# Altium PCB S7.PcbDoc (part 5 of 6) (continued)
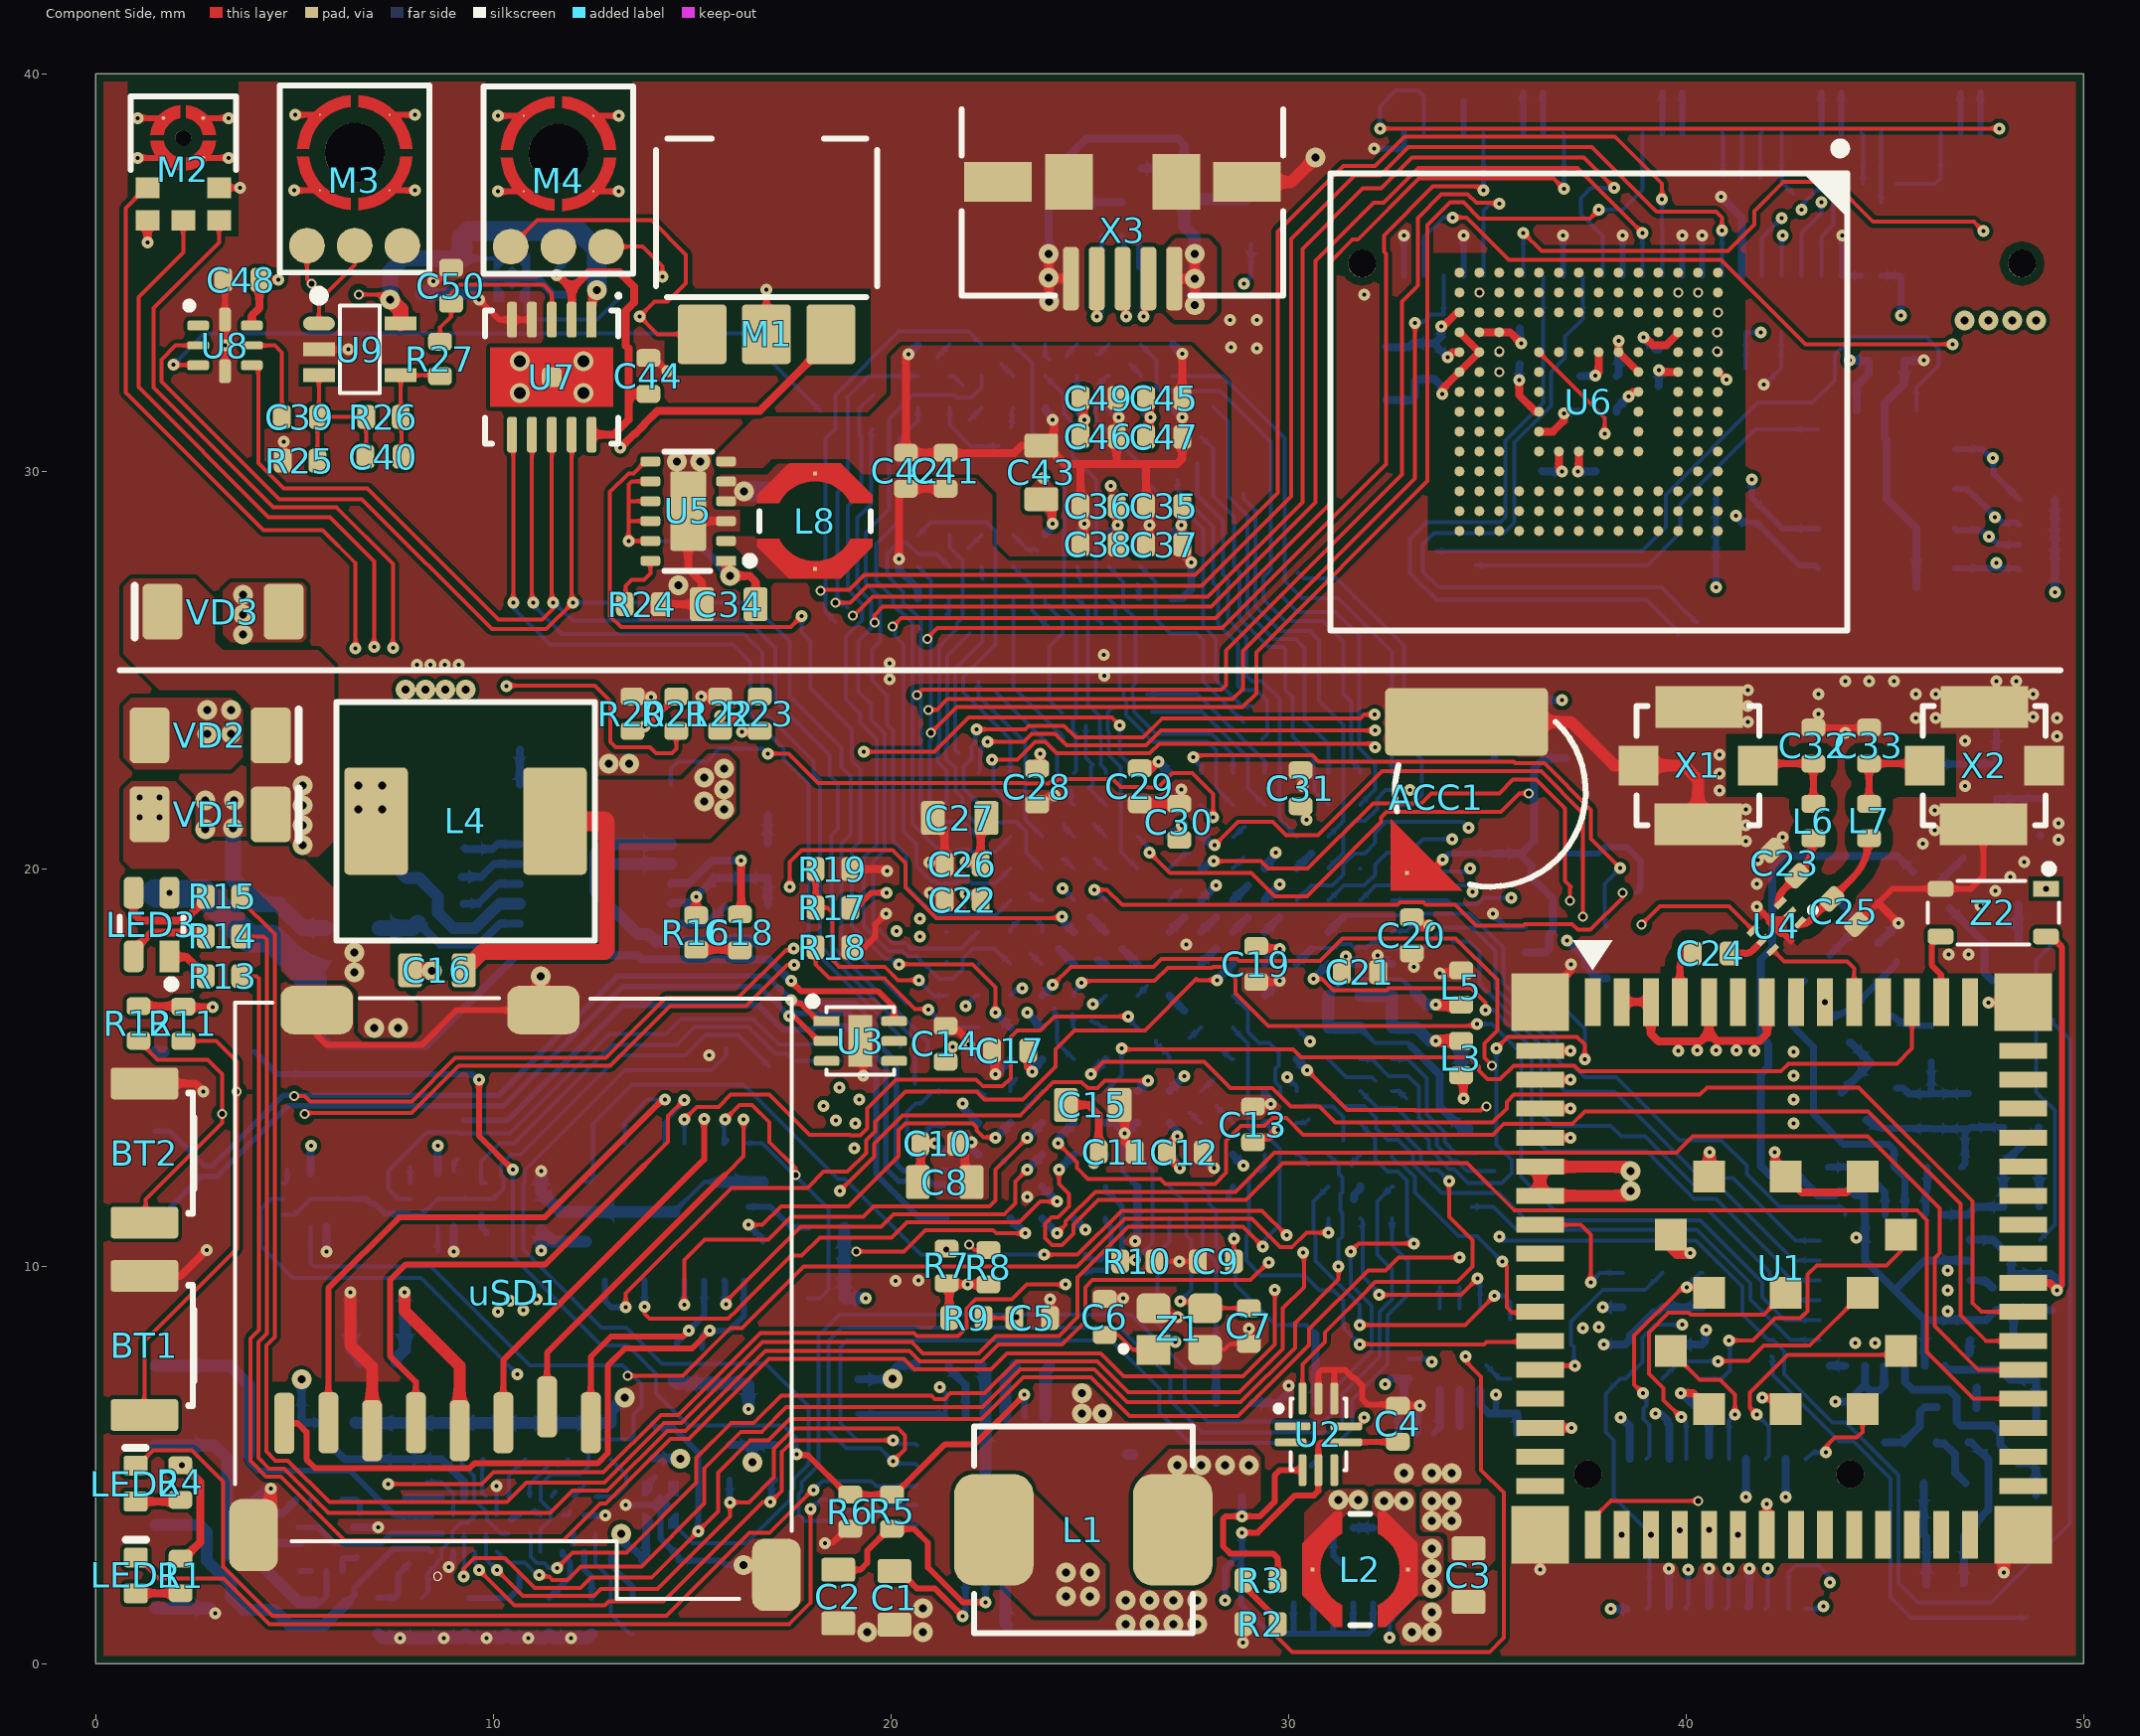
[diagram p0: Component Side view]
## Nets (pads, with @x,y where several pads share a name; then routed paths per layer and width w, separated by ;. In a path a pad name is that pad's centre, name@x,y a point inside that pad or via, vN(x,y) a via of type N, cw(c..) or ccw(c..) an arc to the next point about the centre after c; other vN are vias at no path point) (continued)
SSIWS0: U17.K10 U19.3 | length 22.2
  Inner4 w0.08: v2(18.718,15.17) 19.535,15.987 21.137,15.987 21.2,16.05 22.289,16.05 22.5,15.839 23.607,15.839 23.706,15.74 24.066,15.74 24.406,15.4 25.119,15.4 25.348,15.17 26.872,15.17 27.127,15.425 28.297,15.425 v2(28.32,15.448)
  Solder Side w0.1: U19.3@9.693,12.1 9.693,12.633 10.161,13.1 10.527,13.1 12.997,15.57 14.612,15.57 15.067,16.025 16.415,16.025 17.1,15.34 17.383,15.34 17.553,15.17 v2(18.718,15.17) ; U19.3@9.7,12.1 U19.3@9.802,12.1 ; v2(28.32,15.448) 28.563,15.204 U17.K10@28.6,15.204
SYS_V: C4.1 C34.2 C67.2 LED3.4 R1.2 R4.2 R28.2 U1.55 U1.56 U2.4 U2.6 U5.1 U5.8 U5.9 U5.10 U5.11 U10.1 U10.8 U10.9 U10.10 U10.11 U10.12 X6.57 X6.58 X6.59 X6.60 | length 162.8
  Component Side w0.1: U5.11@13.95,28.25 v1(13.4,28.249) 13.4,28.744 ; U5.10@13.95,28.75 13.406,28.75 13.4,28.744 ; U5.9@13.95,29.25 13.411,29.25 13.4,29.239 ; U5.8@13.95,29.75 13.485,29.75 13.4,29.665 13.4,29.239 ; 13.4,28.744 13.4,29.239
  Component Side w0.15: v1(28.825,3.3) 29.227,3.3 30.161,4.234 30.637,4.234 30.75,4.347 U2.4@30.75,4.873 30.75,5.497 30.828,5.574 31.449,5.574 U2.6@31.45,5.573 31.457,5.58 32.743,5.58 C4.1@32.75,5.588
  Component Side w0.2: R1.2@2.135,2.645 2.21,2.645 2.627,3.062 2.627,4.57 2.202,4.995 v4(2.164,4.995) ; U5.1@15.85,27.75 15.85,27.481 v3(15.961,27.37) 16.45,27.37 16.596,27.224 C34.2@16.596,26.656
  Component Side w0.3: v3(38.6,11.9) 38.475,11.775 U1.55@36.325,11.775 U1.56@36.325,12.505 38.495,12.505 v3(38.6,12.4)
  Inner1 w0.2: v4(1.85,19.4) 0.95,18.5 0.95,5.52 1.237,5.233 1.926,5.233 v4(2.164,4.995) 2.164,1.614 3.478,0.3 28,0.3 28.4,0.7 v1(28.4,1.6)
  Inner4 w0.6: 15.076,18.19 17.558,20.672 17.558,23.892 15.961,25.489 v3(15.961,27.37)
  Inner4 w1: 15.076,18.19 13.365,16.479 13.365,11.5 14.79,10.075 16.307,10.075 18.125,8.257 19.411,8.257 19.416,8.262 21.105,8.262 21.47,7.898 25.805,7.898 27.532,6.17 29.461,6.17 29.9,5.731 v6(29.9,5) ; v6(29.884,3.923) 29.9,3.94 v6(29.9,5) ; 48.7,33.55 48.7,27.439 48.525,27.264 48.525,26.937 47.458,25.87 45.887,25.87 45.878,25.861 41.088,25.861 40.014,24.786 40.014,17.531 38.65,16.167 38.65,9.555 38.645,9.551 38.645,9.287 38.65,9.283 38.65,8.661 38.645,8.657 38.645,8.375 38.675,8.346 38.675,7.724 38.645,7.695 ; v6(29.9,5) 31.984,5 32.05,5.066 32.05,5.152 32.548,5.65 35.241,5.65 36.184,6.592 36.72,6.592 36.812,6.685 37.727,6.685 38.624,7.581 ; 38.624,7.581 38.624,7.673 38.645,7.695 ; 38.624,7.581 38.645,7.603 38.645,7.695
  Solder Side w0.1: v1(13.4,28.249) 15.08,28.249
  Solder Side w0.15: v1(28.4,1.6) 28.4,2.4 28.8,2.8 28.8,1.5 29.538,0.762 30.096,0.762 ; R28.2@28.825,2.79 v1(28.825,3.3) ; U10.12@30.125,1.525 30.125,0.79 30.096,0.762 ; C67.2@30.575,4.983 C67.2@30.798,5.205 ; U10.11@30.625,1.525 30.625,0.791 30.654,0.762 ; U10.10@31.125,1.525 31.125,0.773 31.136,0.762 ; U10.9@31.625,1.525 31.625,0.803 31.584,0.762 ; U10.8@32.125,1.525 32.125,0.885 32.001,0.762 31.584,0.762 ; 30.096,0.762 30.654,0.762 ; 30.654,0.762 31.136,0.762 ; 31.136,0.762 31.584,0.762
  Solder Side w0.2: 15.08,28.249 15.081,28.25 v3(15.961,27.37) ; R28.2@28.85,2.75 R28.2@28.9,2.8
  other v3: 47,33.8 47.6,33.8 48.2,33.8 48.8,33.8
  other v6: 29.884,4.467
SYSV_V: R2.1 R3.2 U17.R11 | length 23.4
  Component Side w0.1: R2.1@29.735,1 29.735,0.655 30.09,0.3 35.061,0.3 35.414,0.653 35.414,4.304 34.844,4.873 34.844,7.221 34.453,7.612 v1(34.453,7.735)
  Component Side w0.15: R3.2@28.865,2.1 28.865,1.973 29.735,1.103 R2.1@29.735,1
  Inner4 w0.08: v7(32.974,14.216) 32.974,12.824 32.285,12.135 32.285,11.998 32.315,11.968 32.315,11.409 32.285,11.379 32.285,10.351 34.453,8.183 v1(34.453,7.735)
  Solder Side w0.1: U17.R11@32.6,14.404 32.782,14.404 v7@32.971,14.216
TOUCH_IRQ: U17.H6 X6.36 | length 22.3
  Inner4 w0.08: v2(27.375,18.779) 26.856,19.298 26.856,19.511 27.166,19.821 27.166,20.518 27.8,21.152 27.8,21.678 28.307,22.185 28.307,25.557 28.44,25.69 30.122,25.69 31.88,27.449 31.88,32.835 33.675,34.63 33.675,34.65 33.777,34.752 35.227,34.752 v2(35.4,34.925)
  Solder Side w0.2: U17.H6@27,18.404 v2(27.375,18.779)
TOUCH_RST: U17.H8 X6.37 | length 47.2
  Component Side w0.1: v1(35.91,36.001) 36.371,35.54 41.05,35.54 41.717,36.207 41.717,36.549 42.448,37.28 43.699,37.28 44.703,36.277 47.239,36.277 v1(47.475,36.041)
  Inner4 w0.08: v2(27.375,16.432) 29.709,16.432 30.216,16.939 30.956,16.939 31.441,17.424 32.63,17.424 33.047,17.842 34.254,17.842 34.77,18.357 34.77,18.904 36.59,20.724 36.59,26.319 40.391,30.12 41.96,30.12 43.83,31.99 43.83,32.912 46.958,36.041 v1(47.475,36.041)
  Solder Side w0.1: X6.37@35.9,34.925 35.91,34.935 v1(35.91,36.001)
  Solder Side w0.2: U17.H8@27,16.804 27.001,16.804 27.375,16.431 v2@27.375,16.429
U2V5: C63.1 C64.1 U12.1 U13.B8 | length 8
  Inner4 w0.15: v2(10.437,3.622) 10.589,3.471 10.726,3.471 10.768,3.43 10.875,3.323 ; v2(10.651,2.215) 10.651,2.376 10.95,2.675 10.95,3.248 10.875,3.323 ; v2(14.05,4.692) 13.541,4.692 12.901,4.053 12.631,4.053 12.475,3.897 12.475,3.583 12.266,3.374 12.186,3.374 12.145,3.415 11.855,3.415 11.814,3.374 11.745,3.374 11.681,3.438 11.14,3.438 11.025,3.323 10.875,3.323
  Solder Side w0.15: C64.1@9.391,1.652 C63.1@10.34,1.652 10.394,1.652 10.651,1.909 v2(10.651,2.215) ; v2(10.437,3.622) 10.543,3.728 U13.B8@10.638,3.728 ; U12.1@13.84,4.51 13.868,4.51 v2(14.05,4.692)
U4SW: C53.1 L1.1 U11.19 U11.20
  other v3: 24.4,1.7 25,1.7 24.4,2.3 25,2.3
U5V: C57.1 C106.1 C108.1 R23.1 R47.2 U11.1 U11.24 U23.3 | length 23.8
  Component Side w0.1: R23.1@16.685,23.45 R23.1@16.7,23.465
  Component Side w0.2: v1(16.257,23.45) R23.1@16.685,23.45
  Inner4 w1: 15.2,20.8 12.062,17.662 12.062,9.072 13.509,7.625 16.593,7.625 19.11,5.108 v2@19.11,3.51
  other v2: 18.8,3.2 18.8,3.5 19.1,3.5 19.4,3.5
  other v5: 15.7,20.8 16.2,20.8 14.4,23.2 14.9,23.2 14.4,23.7 14.9,23.7
U5V_V: R22.1 R23.2 U17.M11 | length 46.1
  Component Side w0.1: R22.1@15.7,23.465 v12(15.7,23.85)
  Component Side w0.15: R22.1@15.7,23.465 15.75,23.465 16.62,24.335 R23.2@16.7,24.335
  Inner1 w0.08: v12(15.7,23.85) 15.7,23.423 17,22.123 17,13.775 18.175,12.6 19.796,12.6 20.142,12.946 20.142,17.113 20.929,17.9 22,17.9 22.8,18.7 22.8,19.366 25.784,22.35 27.932,22.35 29.1,21.182 29.1,16.218 28.5,15.618 28.5,12.277 28.627,12.15 29.63,12.15 30.3,12.82 30.3,13.729
  Inner1 w0.1: v1(29.967,14.757) 29.967,14.062 30.3,13.729
  Solder Side w0.1: v1(29.967,14.757) 29.986,14.738 30.2,14.523 U17.M11@30.2,14.404
USB_N: P_USB_N1.1 U3.1 U17.B14 | length 28
  Component Side w0.138: v1@17.528,16.613 17.733,16.613 18.182,16.165 U3.1@18.382,16.165
  Solder Side w0.138: P_USB_N1.1@1.5,13.4 1.862,13.4 2.73,12.532 2.947,12.532 4.717,14.302 10.135,14.302 13.133,17.3 16.89,17.3 17.448,16.741 17.448,16.723 17.539,16.632 19.068,16.632 19.627,16.074 19.627,15.646 19.64,15.633 19.645,15.633 20.133,15.145 20.133,15.14 ; 20.134,15.139 20.134,14.203 20.134,13.133 20.134,12.578 20.306,12.406 20.622,12.406 20.626,12.41 21.794,12.41 U17.B14@22.2,12.004
  other v1: 17.49,16.7
USB_P: P_USB_P1.1 U3.2 U17.A14 | length 27.3
  Component Side w0.138: v1(17.44,16.29) 17.471,16.259 17.588,16.259 18.182,15.665 U3.2@18.382,15.665
  Solder Side w0.138: P_USB_P1.1@1.5,11.4 1.791,11.4 2.659,12.268 3.056,12.268 4.826,14.038 10.245,14.038 13.243,17.035 16.694,17.035 v1(17.44,16.29) 17.48,16.29 17.558,16.368 18.959,16.368 19.362,15.964 19.362,15.537 19.53,15.369 19.536,15.369 19.869,15.036 19.869,15.03 19.869,12.469 20.197,12.142 20.731,12.142 20.735,12.146 20.974,12.146 21.056,12.064 21.34,12.064 U17.A14@21.4,12.004
USB_VBUS: C103.2 L16.1 P_USB_VBUS1.1 U3.6 | length 22.7
  Component Side w0.15: v1(17.49,17.179) 17.49,17.171 17.737,16.925 19.672,16.925 20.082,16.515 U3.6@20.082,16.165
  Solder Side w0.2: L16.1@5.468,16.955 5.705,16.718 5.705,15.74 5.895,15.55 8.312,15.55 10.587,17.824 13.629,17.824 13.728,17.725 16.93,17.725 17.476,17.179 v1(17.49,17.179)
  Solder Side w0.7: P_USB_VBUS1.1@1.5,19.4 1.527,19.373 2.734,19.373 3.859,18.248 C103.2@4.05,18.248 4.425,18.248 5.468,17.205 L16.1@5.468,16.955
USBHS_N: U17.F15 U26.1 X3.2 | length 44.4
  Component Side w0.138: v1(26.354,33.892) 26.385,33.924 26.385,34.761 X3.2@26.474,34.85
  Inner4 w0.075: v2(24.9,10.3) 24.9,10.287 24.744,10.131 24.097,10.131 23.969,10.003 22.51,10.003 20.063,12.45 18.921,12.45 16.622,14.748 16.622,18.114 17.235,18.727 18.213,18.727 18.83,19.344 18.83,24.232 18.348,24.714 18.348,25.315 17.464,26.2 17.464,31.618 19.637,33.792 22.824,33.792 23.225,33.391 26.077,33.391 26.239,33.553 26.239,33.736 26.354,33.851 v1(26.354,33.892)
  Solder Side w0.138: v2(24.9,10.3) 24.9,10.23 24.931,10.199 25.035,10.199 25.072,10.162 25.283,10.162 25.542,10.421 25.542,10.978 25.4,11.12 U17.F15@25.4,11.204 ; U26.1@26.299,35.925 26.243,35.869 26.243,35.594 26.238,35.588 26.238,35.142 26.327,35.053 26.327,33.92 v1(26.354,33.892)
USBHS_P: U17.F14 U26.2 X3.3 | length 46
  Component Side w0.138: X3.3@25.824,34.85 25.892,34.783 25.892,33.924 v1(25.923,33.892)
  Inner4 w0.075: v2(24.9,9.83) 24.843,9.83 24.744,9.929 24.18,9.929 24.052,9.801 22.427,9.801 19.98,12.248 18.838,12.248 16.421,14.665 16.421,18.198 17.152,18.929 18.13,18.929 18.629,19.428 18.629,24.149 18.147,24.631 18.147,25.232 17.262,26.116 17.262,31.702 19.553,33.993 22.908,33.993 23.309,33.593 25.994,33.593 26.038,33.637 26.038,33.736 25.923,33.851 v1(25.923,33.892)
  Solder Side w0.138: v2(24.9,9.83) 24.931,9.861 25.035,9.861 25.072,9.898 25.393,9.898 25.806,10.311 25.806,11.516 25.4,11.922 U17.F14@25.4,12.004 ; U26.2@25.799,35.926 25.856,35.869 25.856,35.594 25.861,35.589 25.861,34.986 25.95,34.897 25.95,33.92 v1(25.923,33.892)
VACC: ACC1.2 U21.2 VD4.1 VD5.2 | length 9.8
  Component Side w0.2: ACC1.2@32.977,19.9 33.554,19.9 v1(33.881,20.227)
  Solder Side w0.15: v1(33.881,20.227) 34.033,20.379 VD4.1@35.175,20.379
  Solder Side w0.2: VD4.1@35.175,20.379 VD4.1@35.342,20.379 ; U21.2@35.95,17.9 36.465,17.9 36.55,17.985 36.55,18.345 36.66,18.455 36.66,19.24 36.1,19.8 36.1,20.09 35.811,20.379 ; VD5.2@36.975,22.779 36.422,22.779 36.175,22.532 36.175,20.704 35.85,20.379 35.811,20.379 ; VD4.1@35.342,20.379 VD4.1@35.414,20.379 ; VD4.1@35.342,20.379 35.345,20.382 35.411,20.382 VD4.1@35.414,20.379 ; VD4.1@35.414,20.379 35.811,20.379
VACC_AIN: U17.P11 U21.1 | length 13.9
  Component Side w0.1: v1(35.225,15.48) 35.52,15.775 37.255,15.775 37.45,15.58 v1(37.45,15.21)
  Solder Side w0.1: U17.P11@31.8,14.404 31.813,14.404 32.238,13.979 32.72,13.979 33.524,13.175 33.524,12.976 ; 33.525,12.975 33.525,12.966 34.041,12.45 34.161,12.45 34.511,12.1 35.365,12.1 35.615,12.351 35.615,12.671 35.225,13.061 v1(35.225,15.48) ; U21.1@35.95,17.25 36.175,17.25 37.45,15.975 v1(37.45,15.21)
VACC_EN: U17.J1 U21.4 | length 14.5
  Component Side w0.1: v1(27.599,22.803) 27.65,22.854 30.6,22.854 30.754,22.7 35.664,22.7 35.709,22.655 36.438,22.655 37.609,21.484 37.609,20.755 v1(38.344,20.02)
  Solder Side w0.1: v1(27.599,22.803) 27.8,22.602 U17.J1@27.8,22.404 ; U21.4@38,18.55 37.95,18.6 37.95,19.626 v1(38.344,20.02)
VBAT: C73.2 P_VBAT1.1 U11.13 U11.14 | length 40.1
  Inner4 w1: v6(4,16.9) 4,5.074 3.65,4.724 3.65,2.15 4.4,1.4 7.961,1.4 18.008,1.4 18.408,1.8 19.538,1.8 20.888,3.15 25.248,3.15 26.1,4.003 v2(26.1,5.125) v2@26.1,5.275
  Solder Side w0.28: C73.2@25.953,5.269 C73.2@26.078,5.269
  other v2: 25.8,5.125 26.4,5.125 25.8,5.425 26.1,5.425 26.4,5.425
  other v6: 3.4,16.9 4.6,16.9 2.8,17.5 3.4,17.5 4,17.5
VBUS: L16.2 U17.A15 VD1.2 | length 20.4
  Inner4 w0.15: v3(7.6,16) 9.259,14.341 v2(9.259,13.675)
  Solder Side w0.15: v2(9.259,13.675) 10.357,13.675 13.258,16.576 16.657,16.576 17.28,15.953 18.012,15.953 18.105,16.046 18.863,16.046 19.054,15.854 19.054,15.5 19.429,15.125 19.435,15.125 19.625,14.935 19.625,14.929 ; 19.626,14.929 19.626,12.318 20.74,11.204 U17.A15@21.4,11.204
  other v3: 7,16 6.5,17.4 6.5,17.9
  other v11: 1.1,21.3 1.6,21.3 1.1,21.8 1.6,21.8
VBUSH: L18.2 U17.K13 VD3.2 | length 66.2
  Inner1 w0.1: v1(28.866,12.538) 28.866,15.267 30.2,16.601 30.2,20.758 28.866,22.092 v1@28.866,34.693
  Inner4 w1: v3@3.7,26.2 v3(3.7,26.4) v3(3.7,26.9) 3.7,28.4 1.1,31 1.1,33.686 3.678,36.264 13.895,36.264 16.531,38.9 28.3,38.9 29.1,38.1 v6(29.1,35.7)
  Solder Side w0.1: v1(28.875,34.725) 29.049,34.899 L18.2@29.049,35.717
  Solder Side w0.2: U17.K13@28.6,12.804 v1(28.866,12.538)
  other v3: 3.7,25.9
  other v6: 28.6,35.7 29.6,35.7
WIFI_REG_ON: U1.51 U17.R13 | length 6.3
  Component Side w0.1: v1(35.374,10.125) 35.486,10.013 35.486,8.969 35.62,8.836 36.306,8.836 U1.51@36.325,8.855
  Solder Side w0.1: U17.R13@32.6,12.804 32.6,12.73 32.751,12.579 32.838,12.579 33.175,12.242 33.175,11.858 34.281,10.752 34.747,10.752 v1(35.374,10.125)
WJTAG_CLK: U1.71 X4.17 | length 7.5
  Component Side w0.1: v1(39.875,6.207) 39.862,6.207 39.433,6.637 39.433,6.928 39.062,7.299 39.062,8.336 39.556,8.83 40.071,8.83 40.115,8.786 41.957,8.786 U1.71@42.507,9.336
  Solder Side w0.1: v1(39.875,6.207) 40,6.082 X4.17@40,5.159
WJTAG_RST: U1.75 X4.11 | length 2.4
  Component Side w0.1: v1(43.512,5.32) 43.512,5.465 43.744,5.698 44.298,5.698 44.438,5.838 U1.75@44.438,6.412
  Solder Side w0.1: X4.11@43,5.159 43.019,5.14 43.199,5.32 v1(43.512,5.32)
WJTAG_TDI: U1.73 X4.13 | length 6.3
  Component Side w0.1: v1(41.775,6.273) 41.6,6.448 41.6,6.825 42.55,7.775 45.403,7.775 U1.73@45.403,7.874 45.413,7.874 U1.73@45.45,7.837
  Solder Side w0.1: v1(41.775,6.273) 42.076,5.972 42.076,5.235 X4.13@42,5.159
WJTAG_TDO: U1.74 X4.15 | length 3.7
  Component Side w0.1: U1.74@39.612,7.874 40.338,7.148 40.853,7.148 41.23,6.771 v1(41.23,6.27)
  Solder Side w0.1: X4.15@41.076,5.162 41.076,6.116 v1(41.23,6.27)
WJTAG_TMS: R37.1 U1.72 X4.19 | length 6.3
  Component Side w0.1: v1(38.92,6.803) 38.697,7.026 38.697,8.254 39.875,9.432 39.974,9.432 v1(40.012,9.471) 40.442,9.471 U1.72@40.577,9.336
  Solder Side w0.1: v1(38.92,6.803) 39,6.723 39,6.498 38.926,6.424 38.926,6.16 39.076,6.01 39.076,5.235 X4.19@39,5.159 ; v1(40.012,9.471) 40.012,9.496 40.351,9.835 R37.1@40.4,9.835
pads on no net: M2.HL M3.3 M3.HL M4.2 M4.HL R33.3 R33.4 R53.7 R53.8 U1.1 U1.6 U1.8 U1.11 U1.14 U1.15 U1.16 U1.17 U1.18 U1.19 U1.20 U1.21 U1.22 U1.28 U1.29 U1.30 U1.31 U1.32 U1.33 U1.34 U1.35 U1.36 U1.37 U1.45 U1.46 U1.48 U1.52 U1.53 U2.1 U2.2 U2.5 U3.3 U3.4 U3.5 U6.A1 U6.A2 U6.A7 U6.A8 U6.A9 U6.A10 U6.A11 U6.A12 U6.A13 U6.A14 U6.B1 U6.B3 U6.B4 U6.B5 U6.B6 U6.B7 U6.B8 U6.B9 U6.B10 U6.B11 U6.B12 U6.B13 U6.B14 U6.C1 U6.C3 U6.C5 U6.C7 U6.C8 U6.C9 U6.C10 U6.C11 U6.C12 U6.C13 U6.C14 U6.D1 U6.D2 U6.D3 U6.D4 U6.D12 U6.D13 U6.D14 U6.E1 U6.E2 U6.E3 U6.E5 U6.E8 U6.E9 U6.E10 U6.E12 U6.E13 U6.E14 U6.F1 U6.F2 U6.F3 U6.F10 U6.F12 U6.F13 U6.F14 U6.G1 U6.G2 U6.G3 U6.G10 U6.G12 U6.G13 U6.G14 U6.H1 U6.H2 U6.H3 U6.H5 U6.H12 U6.H13 U6.H14 U6.J1 U6.J2 U6.J3 U6.J5 U6.J12 U6.J13 U6.J14 U6.K1 U6.K2 U6.K3 U6.K6 U6.K7 U6.K10 U6.K12 U6.K13 U6.K14 U6.L1 U6.L2 U6.L3 U6.L12 U6.L13 U6.L14 U6.M1 U6.M2 U6.M3 U6.M7 U6.M8 U6.M9 U6.M10 U6.M11 U6.M12 U6.M13 U6.M14 U6.N1 U6.N3 U6.N6 U6.N7 U6.N8 U6.N9 U6.N10 U6.N11 U6.N12 U6.N13 U6.N14 U6.P1 U6.P2 U6.P7 U6.P8 U6.P9 U6.P10 U6.P11 U6.P12 U6.P13 U6.P14 U7.11 U8.1 U15.2 U15.3 U15.10 U15.11 U16.4 U17.B15 U17.C14 U17.E11 U17.E14 U17.G5 U17.G10 U17.H7 U17.H9 U17.J8 U17.J10 U17.K11 U17.L3 U17.L9 U17.L10 U17.L14 U17.L15 U17.M6 U17.M8 U17.M14 U17.M15 U17.N12 U18.2 U18.4 U18.16 U18.18 U20.2 U20.3 U20.5 U24.2 U24.4 U24.16 U24.18 U25.E2 U26.4 U26.5 X4.MH1 X4.MH2 X4.MP1 X4.MP2 X6.MH1 X6.MH2 X6.MP1 X6.MP2
copper on no net:
  other v8: 10.672,31.969 12.272,31.969 10.672,32.769 12.272,32.769

## Polygon pours and split planes (outlines as drawn)
GND on Component Side "Component Side-GND 3" (solid, remove dead copper, pour order 132): 0,0 0,40 50,40 50,0
PVIN on Component Side "Component Side-PVIN" (solid, remove dead copper, pour order 128): 3.9,20.7 4.3,20.3 5.6,20.3 6,20.7 6,25.1 5.6,25.5 3.2,25.5 3,25.7 3,26.8 2.5,27.3 0.9,27.3 0.7,27.1 0.7,26.7 0.7,26.6 0.7,25.4 1.6,24.5 3.5,24.5 3.9,24.1 3.9,24
VBUSH on Component Side "Component Side-VBUSH" (solid, remove dead copper, pour order 124): 3.2,27 3.4,27.2 5.2,27.2 5.3,27.1 5.3,25.8 5.2,25.7 3.4,25.7 3.2,25.9
NetC123_2 on Component Side "Component Side-NetC32_2" (solid, remove dead copper, pour order 114): 26.92,35.61 26.92,34.03 27.14,33.81 27.98,33.81 28.2,34.03 28.2,35.64 27.98,35.86 27.16,35.86
GND on Component Side "Component Side-GND 2" (solid, remove dead copper, pour order 108): 13.97,26.97 14.45,27.45 14.45,29.98 14.32,30.11 14.32,30.57 14.47,30.72 15.34,30.72 15.54,30.52 15.54,30.12 15.35,29.93 15.35,27.58 15.54,27.39 15.54,26.269 15.391,26.12 14.15,26.12 13.97,26.3
NetL8_2 on Component Side "Component Side-NetL7_2" (solid, remove dead copper, pour order 104): 15.69,28.37 16.56,28.37 17.44,27.49 17.44,27.3 16.88,27.3 16.06,28.12 15.71,28.12 15.69,28.14
NetC110_2 on Component Side "Component Side-NetC63_2" (solid, remove dead copper, pour order 102): 15.67,29.87 15.72,29.92 16.88,29.92 17.15,30.19 17.83,30.19 18,30.02 17.99,30.01 17.99,29.82 17.93,29.76 17.38,29.76 16.82,29.2 16.63,29.2 16.56,29.13 15.84,29.13 15.67,29.3
+3V3_SDRAM on Component Side "Component Side-+3V3_SDRAM" (solid, remove dead copper, pour order 100): 16.6,31.38 19.45,31.38 20,31.93 20,32.89 20.27,33.16 27.55,33.16 28.46,32.25 28.46,28.183 28.137,27.86 22.99,27.86 22.66,28.19 22.66,29.45 22.18,29.93 19.29,29.93 18.9,30.32 17.01,30.32 16.78,30.09 15.71,30.09 15.6,30.2 15.6,30.38
GND on Component Side "Component Side-GND 1" (solid, remove dead copper, pour order 96): 33.3,1.6 33.9,1.6 34,1.7 34,1.9 34.1,2 35.1,2 35.2,1.9 35.2,0.8 34.9,0.5 32.9,0.5 32.804,0.596 32.804,1.104
+3V3 on Component Side "Component Side-+3V3" (solid, remove dead copper, pour order 94): 33.3,4.3 33.3,3.4 33.4,3.3 33.9,3.3 34,3.2 34,2.6 34.2,2.4 35,2.4 35.2,2.6 35.2,4.2 35,4.4 33.4,4.4
NetC52_2 on Component Side "Component Side-NetC59_2" (solid, remove dead copper, pour order 92): 33,3.3 33.2,3.3 33.3,3.2 33.8,3.2 33.9,3.1 33.9,1.8 33.8,1.7 33,1.7
NetC52_2 on Component Side "Component Side-NetC59_2 1" (solid, remove dead copper, pour order 84): 32.3,3.6 32.1,3.8 32.1,4.3 32.2,4.4 33.1,4.4 33.2,4.3 33.2,3.1 33.1,3 32.8,3 32.3,3.5
NetL2_2 on Component Side "Component Side-NetL6_2" (solid, remove dead copper, pour order 82): 30.4,2.7 30.4,3.8 31,4.4 31.9,4.4 32,4.3 32,4 31.9,3.9 31.6,3.9 31.4,3.7 31.2,3.5 31.2,3.3 30.6,2.7
VBUS on Component Side "Component Side-VBUS" (solid, remove dead copper, pour order 72): 0.7,22 0.7,20.2 0.9,20 2.1,20 2.4,19.7 3.8,19.7 4.6,18.9 4.6,17.5 4.9,17.2 6.3,17.2 6.6,16.9 6.6,15.9 6.8,15.7 7.9,15.7 8.1,15.9 8.1,16.6 7.4,17.3 7.4,18.8 6.7,19.5 6,19.5 4.8,20.7 2.6,20.7 2.4,20.9 2.4,21.8 2,22.2 0.9,22.2
GND on Component Side "Component Side-GND" (solid, remove dead copper, pour order 64): 18.3,1.5 18.3,0.8 18.6,0.5 21,0.5 21.2,0.7 21.2,1.5 21,1.7 18.5,1.7
NetC56_1 on Component Side "Component Side-NetC55_1" (solid, remove dead copper, pour order 54): 26.3,4.7 27,5.4 29.1,5.4 29.3,5.2 29.3,4.1 29.1,3.9 28.3,3.9 28,3.6 28,3 28,2.6 27.7,2.3 26.4,2.3 26.3,2.4
U4SW on Component Side "Component Side-U4SW" (solid, remove dead copper, pour order 52): 21.8,4.4 22,4.6 23.3,4.6 25.4,2.5 25.4,1.4 25.2,1.2 23.6,1.2 22.8,2 22.1,2 21.8,2.3
NetC16_1 on Component Side "Component Side-NetC117_1" (solid, remove dead copper, pour order 20): 10.75,22.245 10.75,19.54 9.614,18.404 9.042,18.404 8.96,18.323 8.96,17.75 10.12,17.75 12.4,20.03 12.4,20.6 12.55,20.75 15.45,20.75 16.1,21.4 16.1,22.7 15.9,22.9 15.4,22.9 15.3,22.8 14.745,22.245
PWR on Component Side "Component Side-PWR" (solid, pour order 0): 0.7,24.1 0.9,24.3 3.4,24.3 3.7,24 3.7,22.8 3.4,22.5 1,22.5 0.7,22.8
GND on Solder Side "Solder Side-GND 6" (solid, remove dead copper, pour order 136): 0,0 0,40 50,40 50,0
GND on Solder Side "Solder Side-GND 5" (solid, remove dead copper, pour order 130): 18.265,1.336 18.264,1.661 18.444,1.841 18.455,1.83 19.429,1.83 20.817,1.83 21.185,1.462 21.185,0.66 21.007,0.482 18.505,0.482 18.265,0.722
SYS_V on Solder Side "Solder Side-SYS_V 1" (solid, remove dead copper, pour order 118): 45.75,33.75 46,33.5 49.5,33.5 49.6,33.6 49.6,34.5 49.4,34.7 45.9,34.7 45.75,34.55
NetC123_2 on Solder Side "Solder Side-NetC32_2" (solid, remove dead copper, pour order 112): 26.2,37.29 26.49,37.29 26.66,37.12 26.66,36.53 26.83,36.36 26.83,34.14 27.15,33.82 28.01,33.82 28.18,33.99 28.18,36.25 28.39,36.46 29.66,36.46 30.09,36.89 30.09,38.18 29.89,38.38 28.15,38.38 27.92,38.15 27.92,37.59 27.71,37.38 27.11,37.38 26.96,37.53 26.96,37.96 26.82,38.1 26.23,38.1 26.12,37.99 26.12,37.37
GND on Solder Side "Solder Side-GND 4" (solid, remove dead copper, pour order 110): 14.31,30.57 14.31,30.13 14.67,29.77 14.67,29.37 15.04,29 15.73,29 15.94,29.21 15.94,30.38 15.67,30.65 14.39,30.65
GND on Solder Side "Solder Side-GND 1" (solid, remove dead copper, pour order 90): 32.3,6.1 35.82,6.1 35.82,1.42 34.9,0.5 33.034,0.5 31.6,1.934 31.6,5.4
NetC52_2 on Solder Side "Solder Side-NetC59_2" (solid, remove dead copper, pour order 88): 33.5,3.2 34.7,3.2 34.9,3 34.9,2.3 34.8,2.2 34,2.2 33.9,2.1 33.9,1.8 33.7,1.6 33.4,1.6 33.2,1.8 33.2,2.9
+3V3 on Solder Side "Solder Side-+3V3" (solid, remove dead copper, pour order 86): 32.6,3.6 32.7,3.7 33.1,3.7 33.3,3.9 33.3,4.3 33.4,4.4 34.4,4.4 34.5,4.3 34.5,3.4 34.4,3.3 32.9,3.3 32.8,3.2 32.6,3.2
NetC52_2 on Solder Side "Solder Side-NetC59_2 1" (solid, remove dead copper, pour order 80): 31.5,3.7 31.6,3.8 31.9,3.8 32.1,4 32.1,4.3 32.2,4.4 33.1,4.4 33.2,4.3 33.2,3.9 33,3.7 32.4,3.7 32.1,3.4 31.5,3.4
NetL2_2 on Solder Side "Solder Side-NetL6_2" (solid, remove dead copper, pour order 78): 30.5,4 30.9,4.4 31.8,4.4 32,4.2 32,4 31.9,3.9 31.2,3.9 30.7,3.4 30.5,3.4
SYS_V on Solder Side "Solder Side-SYS_V" (solid, remove dead copper, pour order 74): 28.5,3.1 29.1,3.1 29.6,3.6 29.6,5.1 29.9,5.4 30.8,5.4 31.1,5.1 31.1,4.7 30.3,3.9 30.3,3.2 30.2,3.1 29.9,3.1 29.7,2.9 29.7,2.2 29.4,1.9 28.5,1.9 28.3,2.1 28.3,2.9
U5V on Solder Side "Solder Side-U5V 2" (solid, remove dead copper, pour order 68): 18.6,3.6 18.6,2.5 19.2,1.9 21.4,1.9 21.5,2 21.5,2.6 21.4,2.7 21.2,2.7 21,2.9 21,3.1 20.9,3.2 20,3.2 19.5,3.7 18.7,3.7
VBAT on Solder Side "Solder Side-VBAT" (solid, remove dead copper, pour order 62): 24.2,5.6 24.4,5.8 26.4,5.8 26.7,5.5 26.7,5.1 26.5,4.9 25.8,4.9 25.7,4.8 24.3,4.8 24.2,4.9
GND on Solder Side "Solder Side-GND 2" (solid, remove dead copper, pour order 60): 24.46,6.27 24.73,6 26.4,6 26.6,6.2 26.6,6.9 26.4,7.1 25.6,7.1 25.2,7.5 25.2,7.7 25,7.9 24.7,7.9 24.46,7.66
GND on Solder Side "Solder Side-GND 3" (solid, remove dead copper, pour order 56): 23.5,3.7 25.3,3.7 25.6,3.4 27.9,3.4 28.1,3.2 28.1,0.9 27.9,0.7 25.7,0.7 25.5,0.9 25.5,2.5 25.2,2.8 24.1,2.8 23.5,3.4 23.5,3.6
NetC56_1 on Solder Side "Solder Side-NetC55_1" (solid, remove dead copper, pour order 50): 25.8,4.6 26,4.8 26.6,4.8 27.1,5.3 29.2,5.3 29.3,5.2 29.3,4.1 29.2,4 28.4,4 28,3.6 25.6,3.6 25.3,3.9 24.3,3.9 24.2,4 24.2,4.5 24.3,4.6
U4SW on Solder Side "Solder Side-U4SW" (solid, pour order 48): 23.2,1.7 23.5,1.4 23.5,0.7 23.6,0.6 25.1,0.6 25.4,0.9 25.4,2.4 25.2,2.6 24.2,2.6 24.1,2.7 23.3,2.7 23.2,2.6
VBAT on Solder Side "Solder Side-VBAT 1" (solid, remove dead copper, pour order 44): 0.5,18.1 4.3,18.1 4.9,17.5 4.9,16.4 4.8,16.3 2.8,16.3 2.4,16.7 0.5,16.7
GND on Solder Side "Solder Side-GND" (solid, remove dead copper, pour order 40): 3.8,20.5 5.3,22 7.8,22 8.3,22.5 11.5,22.5 11.5,22.4 13.6,22.4 13.6,22.5 13.6,23.25 13.6,24 13.5,24.1 12.6,25 5.3,25 3.9,23.6 2.7,22.4 1,22.4 0.6,22 0.6,20.7 0.8,20.5
U5V on Solder Side "Solder Side-U5V" (solid, remove dead copper, pour order 38): 14,23.9 14,23 14.1,22.9 15.1,22.9 15.2,23 15.2,23.9 15.1,24 14.1,24
U5V on Solder Side "Solder Side-U5V 1" (solid, remove dead copper, pour order 36): 14.3,21.2 14.4,21.3 15.9,21.3 16.1,21.5 16.1,22.5 16.2,22.6 17.1,22.6 17.2,22.5 17.2,22 17,21.8 16.6,21.8 16.5,21.7 16.5,20.6 16.3,20.4 15.1,20.4 14.9,20.6 14.9,20.8 14.7,21 14.3,21
NetC16_1 on Solder Side "Solder Side-NetC117_1" (solid, remove dead copper, pour order 28): 14.3,21.7 14.4,21.8 14.8,21.8 15,22 15,22.4 15.1,22.5 15.4,22.8 15.9,22.8 16.1,22.6 16.1,21.4 15.9,21.2 15.1,21.2 14.8,21.5 14.3,21.5
VBUS on Solder Side "Solder Side-VBUS" (solid, remove dead copper, pour order 26): 6.3,18 6.3,17.3 6.7,16.9 6.7,15.9 6.9,15.7 7.7,15.7 7.9,15.9 7.9,16.5 7.8,16.6 7.8,17.6 7.3,18.1 6.4,18.1
NetC107_1 on Solder Side "Solder Side-NetC116_1" (solid, pour order 16): 7.541,22.846 7.541,24.86 9.878,24.86 9.891,22.609 10.2,22.3 10.2,21.9 10.3,21.8 10.6,21.8 10.7,21.7 10.7,21.5 10.6,21.4 8.987,21.4
PVIN on Solder Side "Solder Side-PVIN" (solid, remove dead copper, pour order 8): 4.2,21.433 5.146,22.3 7.917,22.3 8.917,21.3 10.3,21.3 10.7,21.3 10.8,21.2 10.8,21 10.7,20.9 10,20.9 9.9,20.8 9,20.8 8.8,20.6 8.8,20.3 7.9,19.4 4.6,19.4 4.2,19.8
PWR on Solder Side "Solder Side-PWR" (solid, pour order 4): 0.6,24 0.9,24.3 3.4,24.3 3.7,24 3.7,23.2 3,22.5 0.9,22.5 0.6,22.8
GND on Inner4 "Inner4-GND" (solid, remove dead copper, pour order 146): 46.1,0 50,0 50,40 0,40 0,0
SYS_V on Inner4 "Inner4-SYS_V" (solid, remove dead copper, pour order 120): 45.8,34.6 45.8,33.7 46,33.5 49.5,33.5 49.6,33.6 49.6,34.5 49.4,34.7 45.9,34.7
VBAT on Inner4 "Inner4-VBAT" (solid, remove dead copper, pour order 46): 2.5,17.9 2.6,18 4.2,18 4.9,17.3 4.9,16.7 4.4,16.2 3.7,16.2 2.5,17.4
U5V on Inner4 "Inner4-U5V" (solid, remove dead copper, pour order 32): 14,23.9 14,20.9 14.5,20.4 16.3,20.4 16.7,20.8 16.7,23.7 16.4,24 14.1,24
GND on Inner1 "Inner1-GND" (solid, remove dead copper, pour order 140): 0,0 0,40 50,40 50,0
NetC107_1 on Inner1 "Inner1-NetC116_1" (solid, remove dead copper, pour order 138): 7.4,24.7 6.2,23.5 6.2,20.1 6.4,19.9 7.8,19.9 8.1,20.2 8.1,22.164 9.509,23.574 9.509,24.733 9.342,24.9 7.6,24.9
GND on Inner3 (split plane): 49.49,34.476 44.8,34.476 44.771,34.471 44.758,34.462 44.746,34.454 42.168,31.876 40.632,31.876 39.576,32.932 39.576,33.8 39.571,33.829 39.562,33.842 39.554,33.854 39.154,34.254 39.129,34.271 39.1,34.276 32.4,34.276 32.371,34.271 32.346,34.254 31.846,33.754 31.829,33.729 31.824,33.7 31.824,27.932 28.268,24.376 22.4,24.376 22.371,24.371 22.361,24.364 22.346,24.354 18.846,20.854 18.829,20.829 18.824,20.8 18.824,16.3 18.829,16.271 18.846,16.246 20.124,14.968 20.124,10.832 15.368,6.076 14.4,6.076 14.371,6.071 14.358,6.062 14.346,6.054 12.246,3.954 12.229,3.929 12.224,3.9 12.224,1.744 12.224,1.6 12.224,0.51 0.51,0.51 0.51,39.49 49.49,39.49
+3V3 on Inner3 (split plane): 49.49,25.476 39.8,25.476 39.771,25.471 39.758,25.462 39.746,25.454 38.246,23.954 38.229,23.929 38.224,23.9 38.224,13.3 38.229,13.271 38.246,13.246 39.024,12.468 39.024,11.632 38.246,10.854 38.229,10.829 38.224,10.8 38.224,10.7 38.224,7.4 38.229,7.371 38.246,7.346 38.546,7.046 38.571,7.029 38.6,7.024 48.5,7.024 48.529,7.029 48.554,7.046 49.054,7.546 49.062,7.558 49.071,7.571 49.076,7.6 49.076,9.668 49.49,10.081 49.49,0.51 12.376,0.51 12.376,1.744 12.376,3.868 14.432,5.924 15.4,5.924 15.429,5.929 15.454,5.946 20.254,10.746 20.264,10.761 20.271,10.771 20.276,10.8 20.276,15 20.271,15.029 20.254,15.054 18.976,16.332 18.976,20.768 22.432,24.224 28.3,24.224 28.329,24.229 28.354,24.246 31.954,27.846 31.962,27.858 31.971,27.871 31.976,27.9 31.976,33.668 32.432,34.124 39.068,34.124 39.424,33.768 39.424,32.9 39.429,32.871 39.446,32.846 40.546,31.746 40.561,31.736 40.571,31.729 40.6,31.724 42.2,31.724 42.229,31.729 42.254,31.746 44.832,34.324 49.49,34.324
GND on Inner3 (split plane): 49.49,10.274 49.471,10.271 49.446,10.254 48.946,9.754 48.929,9.729 48.924,9.7 48.924,7.632 48.468,7.176 38.632,7.176 38.376,7.432 38.376,10.768 39.154,11.546 39.162,11.558 39.171,11.571 39.176,11.6 39.176,12.5 39.171,12.529 39.162,12.542 39.154,12.554 38.376,13.332 38.376,23.868 39.832,25.324 49.49,25.324
GND on Inner2 (split plane): 49.49,0.51 0.51,0.51 0.51,39.49 49.49,39.49

## Other copper
Component Side:
  pour cut-out: 14.3,34.6 14.3,32.4 19.5,32.4 19.5,34.6
  pour cut-out: 17.2,29.8 17.2,29.1 16.2,29.1 16.2,28.4 17.2,28.4 17.2,27.6 19.7,27.6 19.7,29.8
  pour cut-out: 9.8,40 9.8,35 13.5,35 13.5,40
  pour cut-out: 4.6,40 4.6,35 8.4,35 8.4,40
  pour cut-out: 0.8,40 0.8,35.9 3.6,35.9 3.6,40
  pour cut-out: 4.1,7.1 13.1,7.1 13.2,7 13.2,5 4.1,5
  pour cut-out: 6.05,24.2 6.05,18.2 12.55,18.2 12.55,24.2
  pour cut-out: 33.5,35.5 33.5,28 41.5,28 41.5,35.5
  pour cut-out: 35.6,2.525 35.6,17.375 49.2,17.375 49.2,2.525
Inner1:
  pour cut-out: 38.9,15.9 38.9,18.3 39.4,18.8 41.2,18.8 42,19.6 42,20 42.6,20.6 42.6,21.6 42.5,21.7 41,21.7 41,23.3 41.1,23.4 46.7,23.4 46.8,23.3 46.8,21.7 45.6,21.7 45.3,21.4 45.3,19.8 43,17.5 41.7,17.5 41.5,17.3 40.9,17.3 40.8,17.2 40.8,15.9 40.5,15.6 39.2,15.6